# Altium PCB betrusted_evt2b.PcbDoc (part 1 of 6) (continued)
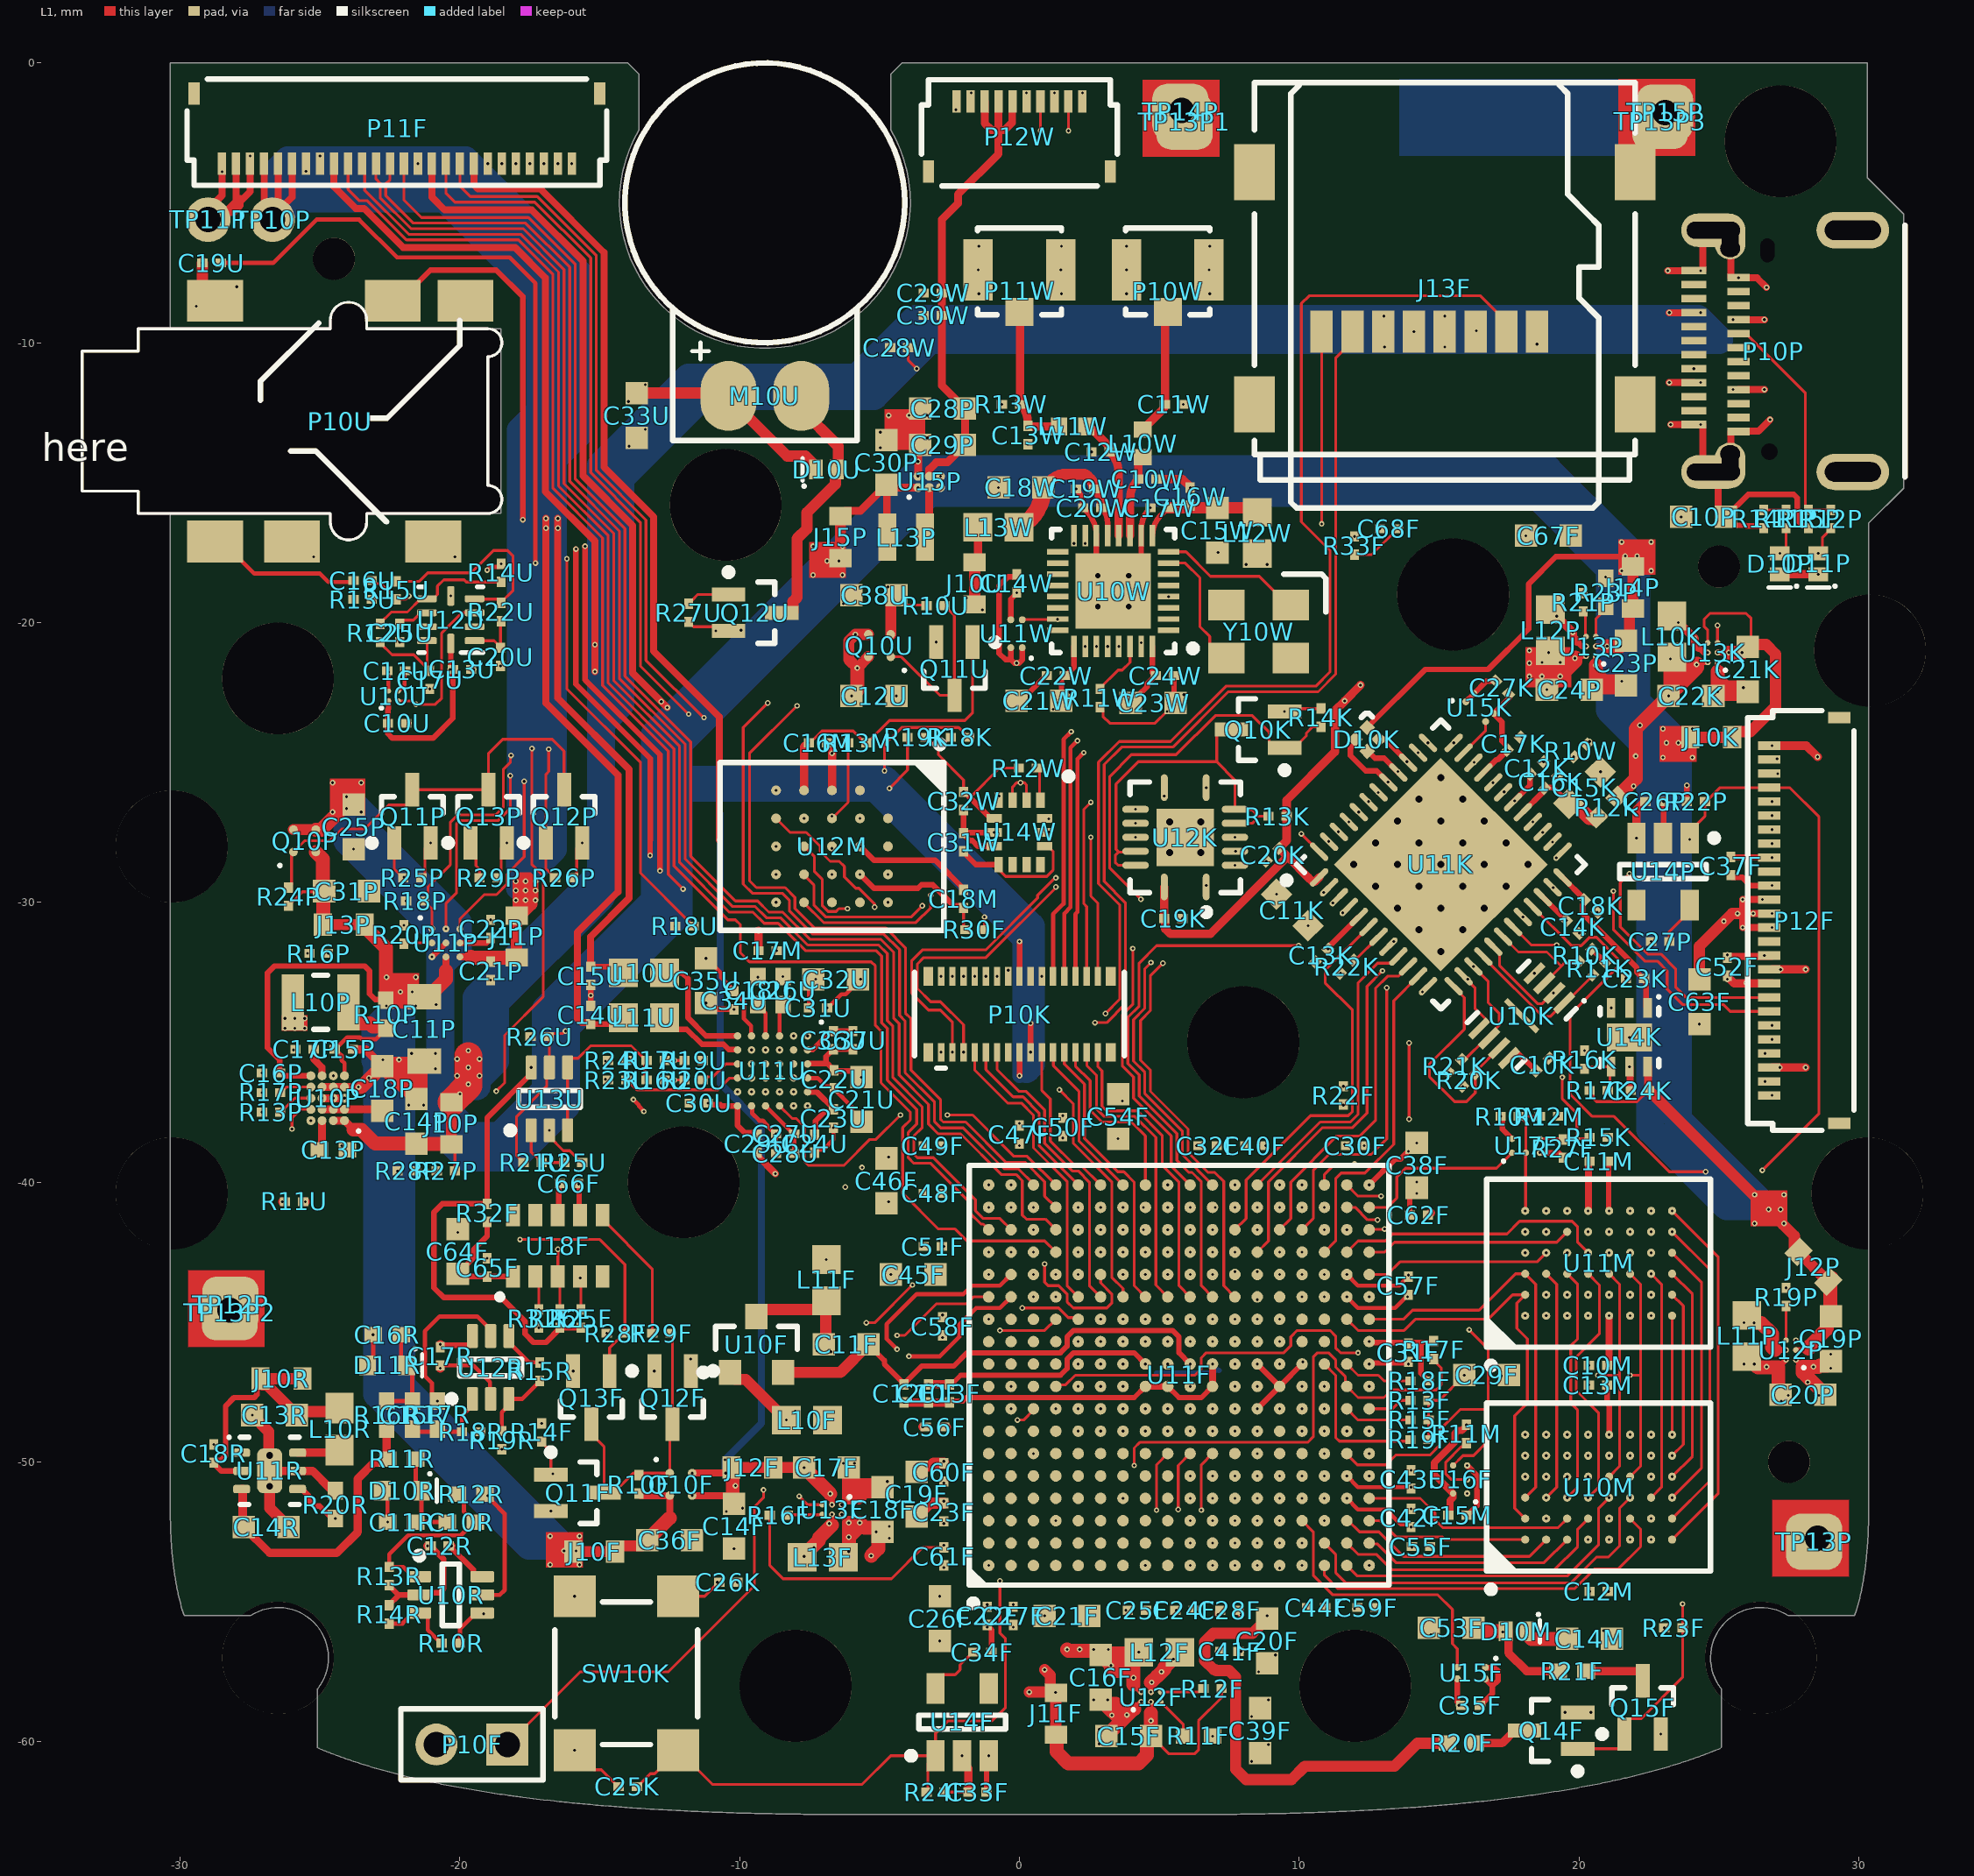
[diagram p0: L1 view]
## Classes and differential pairs (continued)

## Components (designator, comment, footprint, x,y, rotation, side; value= is the part's Value field where it differs from the comment)
C10F "0.47uF, 6.3V, X5R" B_CAP0201 -3.25,-47.55 r270 top
C10K "0.1uF, 6.3V, X5R" B_CAP0201 18.7,-35.8 r45 top
C10M "0.47uF, 6.3V, X5R" B_CAP0201 20.675,-46.55 r180 top
C10P "1.0uF, 25V, X5R" B_CAP0603 24.45,-16.225 r0 top
C10R "1500pF, 50V, X7R" B_CAP0402 -19.95,-52.15 r0 top
C10U "1.0uF, 6.3V, X5R" B_CAP0201 -22.25,-23.6 r0 top
C10W "1.8pF, NP0" B_CAP0201 4.575,-14.875 r0 top
C11F "10uF, 6.3V, X5R" B_CAP0603 -6.2,-45.8 r180 top
C11K "10uF, 6.3V, X5R" B_CAP0603 9.75,-30.275 r135 top
C11M "0.1uF, 6.3V, X5R" B_CAP0201 20.7,-39.25 r0 top
C11P "22uF, 6.3V, X5R" B_CAP0805 -21.275,-34.525 r270 top
C11R "220pF, NP0, 50V" B_CAP0402 -22.075,-52.15 r0 top
C11U "1.0uF, 6.3V, X5R" B_CAP0201 -22.275,-21.725 r0 top
C11W "0.8pF, NP0" B_CAP0201 5.525,-12.2 r0 top
C12F "0.1uF, 6.3V, X5R" B_CAP0201 -4.125,-47.55 r270 top
C12K "0.47uF, 6.3V, X5R" B_CAP0201 18.5,-25.2 r45 top
C12M "0.47uF, 6.3V, X5R" B_CAP0201 20.7,-54.625 r180 top
C12R "0.1uF, 6.3V, X5R" B_CAP0201 -20.725,-53 r0 top
C12U "10uF, 6.3V, X5R" B_CAP0603 -5.2,-22.625 r0 top
C12W "1.8pF, NP0" B_CAP0201 2.9,-13.9 r180 top
C13F "0.1uF, 6.3V, X5R" B_CAP0201 -2.5,-47.55 r270 top
C13K "0.47uF, 6.3V, X5R" B_CAP0201 10.8,-31.9 r225 top
C13M "0.1uF, 6.3V, X5R" B_CAP0201 20.675,-47.25 r0 top
C13P "0.033uF, 16V, X7R" B_RES0402 -24.525,-38.85 r180 top
C13R "10uF, 6.3V, X5R" B_CAP0603 -26.625,-48.325 r180 top
C13U "0.1uF, 6.3V, X5R" B_CAP0201 -19.925,-21.675 r180 top
C13W "0.8pF, NP0" B_CAP0201 0.3,-13.3 r270 top
C14F "10uF, 6.3V, X5R" B_CAP0603 -10.2,-52.3 r270 top
C14K "0.47uF, 6.3V, X5R" B_CAP0201 19.775,-30.875 r315 top
C14M "10uF, 6.3V, X5R" B_CAP0603 20.375,-56.325 r0 top
C14P "1.0uF, 25V, X5R" B_CAP0603 -21.55,-37.825 r90 top
C14R "1uF, 50V, X5R" B_CAP0603 -26.925,-52.325 r0 top
C14U "12pF, NP0" B_CAP0201 -15.325,-34.025 r90 top
C14W "0.1uF, 6.3V, X5R" B_CAP0201 -0.1,-18.6 r90 top
C15F "10uF, 6.3V, X5R" B_CAP0603 3.9,-59.8 r180 top
C15K "10uF, 6.3V, X5R" B_CAP0603 20.2,-25.9 r45 top
C15M "1.0uF, 6.3V, X5R" B_CAP0201 15.65,-51.9 r180 top
C15P "0.1uF, 6.3V, X5R" B_CAP0201 -24.15,-35.25 r0 top
C15R "1500pF, 50V, X7R" B_CAP0402 -21.7,-48.325 r270 top
C15U "12pF, NP0" B_CAP0201 -15.325,-32.625 r90 top
C15W "10uF, 6.3V, X5R" B_CAP0603 7.075,-16.7 r270 top
C16F "10uF, 6.3V, X5R" B_CAP0603 2.9,-57.7 r270 top
C16K "0.1uF, 6.3V, X5R" B_CAP0201 19,-25.7 r45 top
C16M "0.47uF, 6.3V, X5R" B_CAP0201 -7.2,-24.3 r0 top
C16P "0.1uF, 6.3V, X5R" B_CAP0201 -26.75,-36.1 r180 top
C16R "220pF, NP0, 50V" B_CAP0402 -22.6,-45.45 r0 top
C16U "1.0uF, 6.3V, X5R" B_CAP0201 -23.475,-18.5 r0 top
C16W "0.047uF 6.3V X5R" B_CAP0201 6.1,-15.5 r90 top
C17F "10uF, 6.3V, X5R" B_CAP0603 -6.9,-50.2 r0 top
C17K "0.47uF, 6.3V, X5R" B_CAP0201 17.67,-24.33 r45 top
C17M "0.1uF, 6.3V, X5R" B_CAP0201 -9,-31.725 r0 top
C17P "1.0uF, 6.3V, X5R" B_CAP0201 -25.55,-35.25 r180 top
C17R "0.1uF, 6.3V, X5R" B_CAP0201 -20.7,-46.225 r90 top
C17U "1.0uF, 6.3V, X5R" B_CAP0201 -21.075,-22.05 r270 top
C17W "12pF, NP0" B_CAP0201 5,-15.9 r180 top
C18F "10uF, 6.3V, X5R" B_CAP0603 -4.9,-51.7 r90 top
C18K "0.47uF, 6.3V, X5R" B_CAP0201 20.425,-30.125 r315 top
C18M "0.1uF, 6.3V, X5R" B_CAP0201 -2,-29.875 r90 top
C18P "10uF, 6.3V, X5R" B_CAP0603 -22.775,-36.65 r90 top
C18R "1.0uF, 6.3V, X5R" B_CAP0201 -28.8,-49.7 r270 top
C18U "2.2uF, 6.3V, X5R" B_CAP0402 -9.35,-33.15 r90 top
C18W "10uF, 6.3V, X5R" B_CAP0603 0.05,-15.175 r180 top
C19F "10uF, 6.3V, X5R" B_CAP0603 -3.675,-51.15 r270 top
C19K "0.1uF, 6.3V, X5R" B_CAP0201 5.5,-30.575 r0 top
C19P "10uF, 6.3V, X5R" B_CAP0603 29,-45.6 r270 top
C19U "1.0uF, 6.3V, X5R" B_CAP0201 -28.875,-7.15 r0 top
C19W "0.047uF 6.3V X5R" B_CAP0201 2.35,-15.225 r180 top
C20F "10uF, 6.3V, X5R" B_CAP0603 8.85,-56.4 r270 top
C20K "0.47uF, 6.3V, X5R" B_CAP0201 9.05,-28.3 r225 top
C20P "10uF, 6.3V, X5R" B_CAP0603 28,-47.6 r0 top
C20U "1.0uF, 6.3V, X5R" B_CAP0201 -18.55,-21.225 r270 top
C20W "12pF, NP0" B_CAP0201 2.6,-15.9 r180 top
C21F "10uF, 6.3V, X5R" B_CAP0603 1.7,-55.5 r180 top
C21K "10uF, 6.3V, X5R" B_CAP0603 26.025,-21.675 r270 top
C21P "1.0uF, 6.3V, X5R" B_CAP0201 -18.9,-32.45 r90 top
C21U "10uF, 6.3V, X5R" B_CAP0603 -5.65,-37.05 r90 top
C21W "10uF, 6.3V, X5R" B_CAP0603 0.7,-22.8 r180 top
C22F "1.0uF, 6.3V, X5R" B_CAP0201 -1.15,-55.5 r90 top
C22K "10uF, 6.3V, X5R" B_CAP0603 24,-22.625 r0 top
C22P "0.47uF, 6.3V, X5R" B_CAP0201 -18.9,-30.95 r90 top
C22U "0.1uF, 6.3V, X5R" B_CAP0201 -6.625,-36.325 r90 top
C22W "0.1uF, 6.3V, X5R" B_CAP0201 1.3,-21.9 r180 top
C23F "0.47uF, 6.3V, X5R" B_CAP0201 -2.7,-51.8 r90 top
C23K "1.0uF, 6.3V, X5R" B_CAP0201 22,-32.725 r180 top
C23P "10uF, 6.3V, X5R" B_CAP0603 21.675,-21.45 r270 top
C23U "0.1uF, 6.3V, X5R" B_CAP0201 -6.65,-37.725 r270 top
C23W "10uF, 6.3V, X5R" B_CAP0603 4.775,-22.875 r0 top
C24F "0.47uF, 6.3V, X5R" B_CAP0201 5.9,-55.3 r0 top
C24K "1.0uF, 6.3V, X5R" B_CAP0201 22.175,-36.725 r180 top
C24P "10uF, 6.3V, X5R" B_CAP0603 19.65,-22.4 r0 top
C24U "1.0uF, 6.3V, X5R" B_CAP0201 -7.325,-38.625 r90 top
C24W "0.01uF, 25V, X5R" B_RES0201 5.2,-21.9 r0 top
C25F "0.47uF, 6.3V, X5R" B_CAP0201 4.2,-55.3 r180 top
C25K "0.01uF, 25V, X5R" B_RES0201 -14,-61.6 r180 top
C25P "10uF, 6.3V, X5R" B_CAP0603 -23.8,-27.3 r270 top
C25U "0.1uF, 6.3V, X5R" B_CAP0201 -22.15,-20.375 r90 top
C26F "10uF, 6.3V, X5R" B_CAP0603 -2.85,-55.6 r270 top
C26K "0.01uF, 25V, X5R" B_RES0201 -10.4,-54.3 r0 top
C26P "0.1uF, 6.3V, X5R" B_CAP0201 22.7,-26.4 r180 top
C26U "2.2uF, 6.3V, X5R" B_CAP0402 -8.45,-33.15 r270 top
C27F "1.0uF, 6.3V, X5R" B_CAP0201 -0.225,-55.5 r90 top
C27K "0.01uF, 25V, X5R" B_RES0201 17.25,-22.325 r135 top
C27P "560pF, NP0" B_RES0201 22.9,-31.4 r180 top
C27U "0.1uF, 6.3V, X5R" B_CAP0201 -8.375,-38.275 r0 top
C28F "0.47uF, 6.3V, X5R" B_CAP0201 7.5,-55.3 r180 top
C28P "10uF, 6.3V, X5R" B_CAP0603 -2.75,-12.35 r180 top
C28U "1.0uF, 6.3V, X5R" B_CAP0201 -8.375,-38.975 r180 top
C28W "560pF, NP0" B_RES0201 -4.3,-10.175 r180 top
C29F "10uF, 6.3V, X5R" B_CAP0603 16.7,-46.9 r0 top
C29P "10uF, 6.3V, X5R" B_CAP0603 -2.75,-13.65 r180 top
C29U "0.1uF, 6.3V, X5R" B_CAP0201 -9.375,-38.625 r270 top
C29W "1.0uF, 6.3V, X5R" B_CAP0201 -3.1,-8.225 r0 top
C30F "1.0uF, 6.3V, X5R" B_CAP0201 12,-38.7 r180 top
C30P "10uF, 6.3V, X5R" B_CAP0603 -4.75,-14.275 r90 top
C30U "1.0uF, 6.3V, X5R" B_CAP0201 -11.45,-37.175 r0 top
C30W "1.0uF, 6.3V, X5R" B_CAP0201 -3.1,-9.025 r0 top
C31F "0.47uF, 6.3V, X5R" B_CAP0201 13.9,-46.1 r90 top
C31P "10uF, 6.3V, X5R" B_CAP0603 -24.05,-29.6 r0 top
C31U "0.1uF, 6.3V, X5R" B_CAP0201 -7.2,-33.775 r0 top
C31W "0.1uF, 6.3V, X5R" B_CAP0201 -2,-27.85 r90 top
C32F "0.47uF, 6.3V, X5R" B_CAP0201 6.725,-38.7 r0 top
C32U "10uF, 6.3V, X5R" B_CAP0603 -6.575,-32.75 r0 top
C32W "0.1uF, 6.3V, X5R" B_CAP0201 -2,-26.375 r270 top
C33F "0.1uF, 6.3V, X5R" B_CAP0201 -1.5,-61.8 r0 top
C33U "10uF, 6.3V, X5R" B_CAP0603 -13.675,-12.6 r90 top
C34F "560pF, NP0" B_RES0201 -1.325,-56.8 r0 top
C34U "0.1uF, 6.3V, X5R" B_CAP0201 -10.2,-33.5 r90 top
C35F "0.01uF, 25V, X5R" B_RES0201 16.125,-58.7 r0 top
C35U "10uF, 6.3V, X5R" B_CAP0603 -11.2,-32.8 r90 top
C36F "10uF, 6.3V, X5R" B_CAP0603 -12.5,-52.8 r0 top
C36U "0.1uF, 6.3V, X5R" B_CAP0201 -6.65,-34.925 r270 top
C37F "1.0uF, 6.3V, X5R" B_CAP0201 25.425,-28.7 r90 top
C37U "1.0uF, 6.3V, X5R" B_CAP0201 -5.95,-34.925 r90 top
C38F "10uF, 6.3V, X5R" B_CAP0603 14.2,-39.4 r90 top
C38U "10uF, 6.3V, X5R" B_CAP0603 -5.2,-19.025 r180 top
C39F "10uF, 6.3V, X5R" B_CAP0603 8.6,-59.6 r90 top
C40F "1.0uF, 6.3V, X5R" B_CAP0201 8.4,-38.7 r0 top
C41F "0.47uF, 6.3V, X5R" B_CAP0201 7.5,-56.775 r180 top
C42F "0.47uF, 6.3V, X5R" B_CAP0201 14,-52 r270 top
C43F "0.47uF, 6.3V, X5R" B_CAP0201 14,-50.625 r90 top
C44F "0.47uF, 6.3V, X5R" B_CAP0201 10.6,-55.2 r0 top
C45F "10uF, 6.3V, X5R" B_CAP0603 -3.8,-43.3 r180 top
C46F "10uF, 6.3V, X5R" B_CAP0603 -4.75,-39.95 r90 top
C47F "1.0uF, 6.3V, X5R" B_CAP0201 0,-38.3 r270 top
C48F "0.47uF, 6.3V, X5R" B_CAP0201 -3.1,-40.4 r180 top
C49F "0.47uF, 6.3V, X5R" B_CAP0201 -3.1,-38.7 r180 top
C50F "0.47uF, 6.3V, X5R" B_CAP0201 1.55,-38.025 r90 top
C51F "0.47uF, 6.3V, X5R" B_CAP0201 -3.1,-42.3 r180 top
C52F "1.0uF, 6.3V, X5R" B_CAP0201 25.3,-32.3 r270 top
C53F "10uF, 6.3V, X5R" B_CAP0603 15.425,-55.925 r180 top
C54F "10uF, 6.3V, X5R" B_CAP0603 3.525,-37.65 r90 top
C55F "1.0uF, 6.3V, X5R" B_CAP0201 14.35,-53.025 r180 top
C56F "0.47uF, 6.3V, X5R" B_CAP0201 -3.025,-48.75 r180 top
C57F "0.47uF, 6.3V, X5R" B_CAP0201 13.9,-43.7 r90 top
C58F "0.47uF, 6.3V, X5R" B_CAP0201 -2.75,-45.15 r90 top
C59F "0.47uF, 6.3V, X5R" B_CAP0201 12.4,-55.2 r180 top
C60F "0.47uF, 6.3V, X5R" B_CAP0201 -2.7,-50.375 r270 top
C61F "0.47uF, 6.3V, X5R" B_CAP0201 -2.7,-53.375 r270 top
C62F "0.47uF, 6.3V, X5R" B_CAP0201 14.275,-41.175 r0 top
C63F "1.0uF, 25V, X5R" B_CAP0603 24.3,-33.55 r270 top
C64F "10uF, 6.3V, X5R" B_CAP0603 -20.075,-42.475 r90 top
C65F "0.1uF, 6.3V, X5R" B_CAP0201 -19.025,-43.05 r90 top
C66F "0.1uF, 6.3V, X5R" B_CAP0201 -16.1,-40.05 r0 top
C67F "10uF, 6.3V, X5R" B_CAP0603 18.9,-16.9 r0 top
C68F "0.47uF, 6.3V, X5R" B_CAP0201 13.2,-16.65 r180 top
C69F "DNP" B_CAP0201 4.9,-46.5 r270 bottom
C70F "DNP" B_CAP0201 6.9,-46.5 r315 bottom
C71F "DNP" B_CAP0201 4.9,-44.9 r90 bottom
C72F "DNP" B_CAP0201 4.1,-48.9 r270 bottom
C73F "DNP" B_CAP0201 8.5,-47.7 r180 bottom
C74F "DNP" B_CAP0201 8.5,-49.3 r180 bottom
C75F "DNP" B_CAP0201 2.1,-46.1 r180 bottom
C76F "DNP" B_CAP0201 6.9,-48.5 r0 bottom
C77F "DNP" B_CAP0201 8.5,-41.3 r270 bottom
C78F "DNP" B_CAP0201 2.5,-44.9 r270 bottom
C79F "DNP" B_CAP0201 10.9,-41.3 r90 bottom
C80F "DNP" B_CAP0201 4.1,-44.9 r270 bottom
C81F "DNP" B_CAP0201 6.5,-44.9 r270 bottom
C82F "DNP" B_CAP0201 9.7,-44.9 r270 bottom
C83F "DNP" B_CAP0201 9.3,-51.7 r270 bottom
C84F "DNP" B_CAP0201 11.7,-50.9 r270 bottom
C85F "DNP" B_CAP0201 6.9,-52.5 r270 bottom
C86F "DNP" B_CAP0201 8.1,-44.9 r270 bottom
C87F "DNP" B_CAP0201 1.3,-48.5 r0 bottom
C88F "DNP" B_CAP0201 0.5,-42.1 r90 bottom
C89F "DNP" B_CAP0201 2.1,-49.3 r0 bottom
C90F "DNP" B_CAP0201 2.9,-41.3 r90 bottom
C91F "DNP" B_CAP0201 5.3,-40.5 r90 bottom
D10K "UHD1110-FKA" CREE_UHD1110-FKA 12.425,-24.175 r45 top
D10M "DB2G42600L1" B_DIO0402 17.75,-56.05 r0 top
D10P "DB2G42600L1" B_DIO0402 27.175,-17.9 r270 top
D10R "BZT585B15T-7" SOD523 -22.075,-51.025 r0 top
D10U "DB2G42600L1" B_DIO0402 -6.9,-14.525 r180 top
D11P "DB2G42600L1" B_DIO0402 28.55,-17.9 r270 top
D11R "BZT585B15T-7" SOD523 -22.6,-46.55 r0 top
J10F "power tap (DNP)" RESTAP-0603 -15.2,-53.2 r180 top
J10K "power tap (DNP)" RESTAP-0603 24.725,-24.1 r180 top
J10P "power tap (DNP)" RESTAP-0603 -20.3,-37.9 r90 top
J10R "power tap (DNP)" RESTAP-0603 -26.375,-47.025 r180 top
J10U "power tap (DNP)" RESTAP-0603 -1.6,-18.6 r90 top
J11F "power tap (DNP)" RESTAP-0603 1.3,-59 r270 top
J11P "power tap (DNP)" RESTAP-0603 -17.975,-31.225 r270 top
J12F "power tap (DNP)" RESTAP-0603 -9.55,-50.2 r0 top
J12P "power tap (DNP)" RESTAP-0603 28.375,-43.025 r315 top
J13F "KAWEEI CTFD001-S-01-WC" AUK_TFC08W01-HC-H 15.2,-9.6 r180 top
J13P "power tap (DNP)" RESTAP-0603 -24.15,-30.8 r180 top
J14P "power tap (DNP)" RESTAP-0603 21.925,-18.75 r270 top
J15P "power tap (DNP)" RESTAP-0603 -6.4,-16.95 r270 top
L10F "Ferrite 600 ohm" B_IND0603 -7.6,-48.5 r180 top
L10K "0.47uH 0603" B_IND0603 23.325,-20.5 r270 top
L10P "1.0uH 3.3A 2520" B_IND2025_SAM -24.975,-33.575 r0 top
L10R "22uH MLZ1608M220WT000" INDC1608AN -24.3,-48.825 r270 top
L10U "Ferrite 600 ohm" B_IND0603 -13.425,-32.525 r180 top
L10W "2.7nH" B_IND0402 4.4,-13.6 r90 top
L11F "Ferrite 600 ohm" B_IND0603 -6.9,-43.5 r270 top
L11P "0.47uH 0603" B_IND0603 26,-45.5 r270 top
L11U "Ferrite 600 ohm" B_IND0603 -13.425,-34.125 r180 top
L11W "2.7nH" B_IND0402 1.9,-13 r180 top
L12F "0.47uH 0603" B_IND0603 5,-56.8 r180 top
L12P "0.47uH 0603" B_IND0603 18.975,-20.275 r270 top
L12W "Ferrite 600 ohm" B_IND0603 8.5,-16.8 r270 top
L13F "0.47uH 0603" B_IND0603 -7.035,-53.4 r0 top
L13P "2.2uH 2016" B_IND2016_TDK -4.05,-16.95 r0 top
L13W "Ferrite 600 ohm" B_IND0603 -0.75,-16.6 r180 top
M10U "Vibration motor, mid-mount 10mm" JINLONG-C1020K001F -9.1,-11.8 r0 top locked
P10F "Header 2 (DNP)" HDR1X2 -18.3,-60.1 r180 top
P10K "DF40C-30DP-0.4V(51)" HRS_DF40C-30DP-0.4V(51) 0,-34 r0 top locked
P10P "USB Type C Connector" HIROSE_CX90B1-24P 26.8,-10.3 r90 top locked
P10U "SJ-43504-SMT-TR" CUI_SJ_43504_SMT_TR_FLIP -31.5,-12.8 r180 top
P10W "KAWEEI P1163-0140R" HRS_U.FL 5.3,-7.4 r0 top
P11F "26-pin FPC" HRS_FH34SRJ-26S-0.5SH(50) -22.25,-3.6 r180 top locked
P11W "KAWEEI P1163-0140R" HRS_U.FL 0,-7.4 r0 top
P12F "26-pin FPC" HRS_FH34SRJ-26S-0.5SH(50) 26.8,-30.65 r90 top
P12W "FH34SRJ-10S-0.5SH" HRS_FH34SRJ-10S-0.5SH(50) 0,-1.375 r0 top locked
Q10F "Si8425DB" VISHAY_MICRO_FOOT_4_BUMP -12.1,-50.8 r0 top
Q10K "DMG1012UW-7" SOT323-3AN 8.525,-23.825 r180 top
Q10P "Si8425DB" VISHAY_MICRO_FOOT_4_BUMP -25.55,-27.8 r90 top
Q10U "Si8425DB" VISHAY_MICRO_FOOT_4_BUMP -5,-20.825 r180 top
Q11F "DMG1012UW-7" SOT323-3AN -15.8,-51.1 r0 top
Q11P "DMN67D8LW" SOT323-3AN -21.7,-26.925 r90 top
Q11U "DMG1012UW-7" SOT323-3AN -2.325,-21.65 r270 top
Q12F "DMN67D8LW" SOT323-3AN -12.4,-47.7 r270 top
Q12P "DMG1012UW-7" SOT323-3AN -16.275,-26.925 r90 top
Q12U "DMG1012UW-7" SOT323-3AN -9.45,-19.65 r0 top
Q13F "DMG1012UW-7" SOT323-3AN -15.3,-47.7 r270 top
Q13P "DMN67D8LW" SOT323-3AN -18.975,-26.925 r90 top
Q14F "DMG1012UW-7" SOT323-3AN 19,-59.6 r180 top
Q15F "DMG1012UW-7" SOT323-3AN 22.275,-58.775 r90 top
R10F "220k, 1%" B_RES0201 -13.6,-50.8 r270 top
R10K "100k, 1%" B_RES0201 20.225,-31.9 r45 top
R10M "47k, 1%" B_RES0201 17.525,-37.65 r0 top
R10P "0.056 ohm, 1%, 1/4W 300ppm" B_RES0402 -22.65,-34 r270 top
R10R "100k, 1%" B_RES0201 -20.325,-56.475 r180 top
R10U "220k, 1%" B_RES0201 -3,-19.4 r180 top
R10W "10k, 1%" B_RES0201 20.05,-24.575 r225 top
R11F "18.7k, 1%, +/-200ppm" B_RES0402 6.4,-59.8 r0 top
R11K "10k, 1%" B_RES0201 20.725,-32.375 r225 top
R11M "47k, 1%" B_RES0201 15.975,-49 r270 top
R11P "20k, 1%" B_RES0201 27.4,-16.3 r270 top
R11R "470k, 1%" B_RES0402 -22.075,-49.9 r180 top
R11U "DNP" B_RES0201 -25.925,-40.7 r180 top
R11W "10k, 1%" B_RES0201 2.875,-22.7 r270 top
R12F "0 ohm" B_RES0201 6.9,-58.1 r0 top
R12K "100, 1%" B_RES0402 21,-26.6 r45 top
R12M "DNP" B_RES0201 18.925,-37.65 r0 top
R12P "20k, 1%" B_RES0201 29,-16.3 r90 top
R12R "5.1M, 1%" B_RES0402 -19.6,-51.15 r0 top
R12U "20k, 1%" B_RES0201 -22.85,-20.375 r90 top
R12W "1.0k, 1%" B_RES0201 0.3,-25.2 r180 top
R13F "330, 1%" B_RES0201 14.3,-47.8 r0 top
R13K "100k, 1%" B_RES0201 9.225,-26.925 r0 top
R13M "2.2k, 1%" B_RES0201 -5.8,-24.3 r0 top
R13P "10k, 1%" B_RES0201 -26.75,-37.5 r0 top
R13R "220k, 1%" B_RES0201 -22.525,-54.075 r90 top
R13U "2.2k, 1%" B_RES0201 -23.475,-19.175 r0 top
R13W "DNP" B_RES0201 -0.3,-12.2 r180 top
R14F "100k, 1%" B_RES0201 -17.075,-48.95 r270 top
R14K "220k, 1%" B_RES0201 10.775,-23.4 r270 top
R14P "5.1k, 1%" B_RES0201 26.6,-16.3 r270 top
R14R "20k, 1%" B_RES0201 -22.525,-55.45 r270 top
R14U "1.0k, 1%" B_RES0201 -18.525,-18.225 r90 top
R15F "4.7k, 1%" B_RES0201 14.3,-48.5 r0 top
R15K "100k, 1%" B_RES0201 20.7,-38.4 r180 top
R15P "5.1k, 1%" B_RES0201 28.2,-16.3 r270 top
R15R "100k, 1%" B_RES0201 -17.15,-46.775 r270 top
R15U "1.0k, 1%" B_RES0201 -22.275,-18.85 r270 top
R16F "0 ohm" B_RES0201 -8.6,-51.9 r0 top
R16K "0 ohm" B_RES0201 20.2,-35.625 r270 top
R16P "10k, 1%" B_RES0201 -25.05,-31.825 r180 top
R16R "470k, 1%" B_RES0402 -22.625,-48.325 r270 top
R16U "47k, 1%" B_RES0201 -13,-36.35 r0 top
R17F "1.0k, 1%" B_RES0201 14.8,-46 r270 top
R17K "DNP" B_RES0201 20.7,-36.725 r0 top
R17P "10k, 1%" B_RES0201 -26.75,-36.8 r180 top
R17R "5.1M, 1%" B_RES0402 -20.8,-48.325 r90 top
R17U "47k, 1%" B_RES0201 -13,-35.65 r180 top
R18F "1.0k, 1%" B_RES0201 14.3,-47.1 r180 top
R18K "4.7k, 1%" B_RES0201 -2.125,-24.1 r180 top
R18P "10k, 1%" B_RES0201 -21.6,-29.95 r0 top
R18R "220k, 1%" B_RES0201 -19.6,-48.925 r180 top
R18U "560k, 1%" B_RES0201 -11.975,-30.85 r180 top
R19F "1.0k, 1%" B_RES0201 14.3,-49.2 r180 top
R19K "4.7k, 1%" B_RES0201 -3.675,-24.1 r0 top
R19P "0 ohm" B_RES0201 27.4,-44.1 r270 top
R19R "20k, 1%" B_RES0201 -18.5,-49.225 r90 top
R19U "DNP" B_RES0201 -11.65,-35.65 r180 top
R20F "47, 1%" B_RES0402 15.8,-60.05 r180 top
R20K "100k, 1%" B_RES0201 16.075,-36.35 r225 top
R20P "10k, 1%" B_RES0201 -22,-31.15 r90 top
R20R "22k, 1%" B_RES0402 -24.45,-51.525 r270 top
R20U "DNP" B_RES0201 -11.65,-36.35 r180 top
R21F "47, 1%" B_RES0402 19.75,-57.475 r180 top
R21K "10k, 1%" B_RES0201 15.575,-35.85 r45 top
R21P "0 ohm" B_RES0201 20.15,-19.275 r270 top
R21U "560k, 1%" B_RES0201 -17.4,-39.3 r180 top
R22F "1.0k, 1%" B_RES0201 11.575,-36.9 r90 top
R22K "10k, 1%" B_RES0201 11.7,-32.3 r45 top
R22P "4.7k, 1%" B_RES0201 24.175,-26.4 r180 top
R22U "20k, 1%" B_RES0201 -18.525,-19.625 r90 top
R23F "220k, 1%" B_RES0201 23.375,-55.925 r0 top
R23P "249k, 1%, +/-200ppm" B_RES0402 20.95,-18.925 r90 top
R23U "DNP" B_RES0201 -14.375,-36.35 r180 top
R24F "4.7k, 1%" B_RES0201 -3,-61.8 r0 top
R24P "220k, 1%" B_RES0201 -26.125,-29.8 r270 top
R24U "DNP" B_RES0201 -14.375,-35.65 r180 top
R25F "4.7k, 1%" B_RES0201 -15.675,-44.875 r270 top
R25P "10k, 1%" B_RES0201 -21.7,-29.125 r0 top
R25U "100k, 1%" B_RES0201 -15.95,-39.3 r180 top
R26F "4.7k, 1%" B_RES0201 -16.425,-44.875 r270 top
R26P "100k, 1%" B_RES0201 -16.275,-29.125 r180 top
R26U "100k, 1%" B_RES0201 -17.15,-34.8 r0 top
R27F "10k, 1%" B_RES0201 19.425,-38.8 r270 top
R27P "100k, 1%" B_RES0201 -20.5,-39.6 r0 top
R27U "100k, 1%" B_RES0201 -11.825,-19.65 r90 top
R28F "100k, 1%" B_RES0201 -14.425,-45.4 r0 top
R28P "5.1k, 1%" B_RES0201 -21.9,-39.6 r180 top
R29F "0 ohm" B_RES0201 -12.8,-45.4 r0 top
R29P "10k, 1%" B_RES0201 -18.975,-29.125 r0 top
R30F "10k, 1%" B_RES0201 -1.6,-30.975 r0 top
R31F "10k, 1%" B_RES0201 -17.175,-44.875 r90 top
R32F "1.0k, 1%" B_RES0201 -19.025,-41.1 r90 top
R33F "10k, 1%" B_RES0201 11.975,-17.25 r90 top
SW10K "5x5mm 1.6mm tall PB" SWITCH_TS-1187A -15.9,-54.8 r0 top
TP10P "solder terminal (DNP)" 55-MIL-HOLE#1 -26.7,-5.625 r90 top
TP11P "solder terminal (DNP)" 55-MIL-HOLE#2 -29,-5.6 r90 top
TP12P "test point (DNP)" TP_2MM_SQ -28.2,-44.375 r90 top
TP13P "test point (DNP)" TP_2MM_SQ 28.4,-52.85 r90 top
TP13P1 "test point (DNP)" TP_2MM_SQ 5.9,-2.1 r90 top
TP13P2 "test point (DNP)" TP_2MM_SQ -28.225,-44.65 r90 top
TP13P3 "test point (DNP)" TP_2MM_SQ 22.9,-2.075 r90 top
TP14P "test point (DNP)" TP_2MM_SQ 5.75,-1.75 r90 top
TP15P "test point (DNP)" TP_2MM_SQ 23.075,-1.775 r90 top
U10F "TI-REF3012DBZ3" ONSC-SOT-23-3-318-08_V -9.4,-45.8 r90 top
U10K "MX25R8035FZUIL0" USON-8 17.95,-34.05 r225 top
U10M "4Mx16 PSRAM" BGA48C75P6X8_600X800X120 20.7,-50.9 r90 top locked
U10P "BQ24157" BGA20C40P4X5_200X214X62 -24.725,-37 r180 top
U10R "LMV981MG/NOPB" DCK0006A_N -20.325,-54.75 r0 top
U10U "LP5907UVX-2.2/NOPB" TI_YKE004 -22.375,-22.625 r90 top
U10W "WF200C" QFN40P400X400X90_HS-33N 3.35,-18.875 r180 top
U11F "XC7S50-L1CSGA324I" BGA324C80P18X18_1500X1500X150 5.7,-46.9 r90 top locked
U11K "iCE40UP5K- SG48" UP5K_QFN127P600-8N 15.06,-28.649 r45 top
U11M "4Mx16 PSRAM" BGA48C75P6X8_600X800X120 20.7,-42.9 r90 top locked
U11P "BQ27421-G1" BGA9C50P3X3_162X158X62 -20.5,-31.45 r0 top
U11R "TPS61158" SON65P200X80_HS-7N -26.8,-50.32 r0 top
U11U "LM49352RL/NOPB" YPG0036AWAW -8.825,-36.025 r270 top
U11W "SiT1532 32.768 kHz 100ppm" SiTIME_CSP -0.105,-20.4 r180 top
U12F "TPS62801" BGA6C35P2X3_70X105X40_NSMD 4.7,-58.4 r90 top
U12K "TS3A4751RGYR" TI_RGY_S_PVQFN-N14 5.925,-27.675 r180 top
U12M "1Gbit 1.8V SPINOR" BGA24C100P5X5_600X800X120 -6.7,-28 r270 top locked
U12P "TPS62802" BGA6C35P2X3_70X105X40_NSMD 27.575,-46 r180 top
U12R "LMV981MG/NOPB" DCK0006A_N -18.9,-46.625 r90 top
U12U "THS4531AIRUN" RUN0010A -20.325,-19.9 r180 top
U13F "TPS62802" BGA6C35P2X3_70X105X40_NSMD -6.7,-51.7 r270 top
U13K "TPS62801" BGA6C35P2X3_70X105X40_NSMD 24.775,-21.075 r180 top
U13P "TPS62802" BGA6C35P2X3_70X105X40_NSMD 20.425,-20.85 r180 top
U13U "LMV981MG/NOPB" DCK0006A_N -16.8,-37.025 r90 top
U14F "BU4217G" SOT23-5AN -2.05,-59.3 r90 top
U14K "TPS78225" TI-DRV6-1600X1000TP_V 21.8,-34.825 r270 top
U14P "BU4217G" SOT23-5AN 23,-28.9 r270 top
U14W "LSM6DS3TR" LGA-14_2500X3000X860_N 0,-27.5 r270 top
U15F "SiT8021 12.000MHz" SiTIME_CSP 16.15,-57.545 r270 top
U15K "SiT8021 12.000MHz" SiTIME_CSP 16.451,-23.041 r45 top
U15P "TPS610997" BGA6C40P2X3_88X123X62 -3.225,-14.975 r90 top
U16F "SN74AUC1G66YZPR" YZP0005ADAD 15.75,-50.625 r180 top
U17F "SN74AUC1G66YZPR" YZP0005ADAD 18.1,-38.7 r90 top
U18F "AB-RTCMC-32.768KHZ-B5ZE-S3-T" ABRACON_RTCMC_LGA10 -16.5,-42.275 r90 top
Y10W "38.4MHz, 10ppm, 40ohm, 10pF" XOSC_3.2_2.5 8.55,-20.325 r180 top

## Footprints (in the part's own frame and the unit in brackets; to place one, negate y for a bottom-side part, rotate by r counter-clockwise, add the part's x,y. Pads: shape width x height; smd on the part's side, far side on the other; paste and mask are expansions set on the pad)
55-MIL-HOLE#1 [mm] "55 mil solder hole"
  round 1.6 hole 0.9: 1(0.025,0)
55-MIL-HOLE#2 [mm] "55 mil solder hole"
  round 1.6 hole 0.9: 1(0,0)
ABRACON_RTCMC_LGA10 [mm] "LGA10 package for ABracon RTCMC"
  rect 0.8x0.5 smd mask+0.07: 1(-1.1,1.6) 2(-1.1,0.8) 3(-1.1,0) 4(-1.1,-0.8) 5(-1.1,-1.6) 6(1.1,-1.6) 7(1.1,-0.8) 8(1.1,0) 9(1.1,0.8) 10(1.1,1.6)
  silkscreen extent -1.92,1.97 -1.73,2.17, body extent -1.25,-1.85 1.25,1.85, height 0.9
AUK_TFC08W01-HC-H [mm] "Micro-SD hinge-lock card (for captive board mount)"
  rect 1.45x2 smd mask+0.07: 0(-6.8,-5.7) 0(-6.8,2.6) 0(6.8,-5.7) 0(6.8,2.6)
  rect 0.8x1.5 smd mask+0.07: 1(-3.3,0) 2(-2.2,0) 3(-1.1,0) 4(0,0) 5(1.1,0) 6(2.2,0) 7(3.3,0) 8(4.4,0)
  silkscreen extent -6.8,-8.9 6.8,6.3, body extent -7.4,-9.35 7.2,5.15, height 1.89
B_CAP0201 [mm] "Capacitor 0201"
  rect 0.37x0.32 smd mask+0.07: 1(-0.325,0) 2(0.325,0)
  body extent -0.32,-0.16 0.32,0.17, height 0.26
B_CAP0402 [mm] "Capacitor 0402"
  rect 0.63x0.55 smd mask+0.07: 1(-0.5,0) 2(0.5,0)
  body extent -0.53,-0.27 0.53,0.28, height 0.4
B_CAP0603 [mm] "Capacitor 0603"
  rect 0.8x0.8 smd mask+0.07: 1(-0.8,0) 2(0.8,0)
  body extent -0.85,-0.45 0.85,0.45, height 0.9
B_CAP0805 [mm] "Capacitor 0805"
  rect 0.9x1.2 smd: 1(-1.15,0) 2(1.15,0)
  body extent -1.1,-0.7 1.1,0.7, height 0.6
B_DIO0402 [mm] "Molded Diode, 2-Leads, Body 1.00x0.50mm, IPC Medium Density"
  rect 0.5x0.7 smd mask+0.07: 1(-0.375,0) 2(0.375,0)
  silkscreen extent 0.75,-0.4 0.85,0.65, body extent -0.5,-0.25 0.5,0.25, height 0.55
B_IND0402 [mm] "Inductor 0402"
  rect 0.58x0.64 smd: 1(-0.49,0) 2(0.49,0)
  body extent -0.55,-0.3 0.55,0.3, height 0.6
B_IND0603 [mm] "Inductor 0603"
  rect 1.03x1.02 smd: 1(-0.735,0) 2(0.735,0)
  body extent -0.9,-0.5 0.9,0.5, height 0.8
B_IND2016_TDK [mm] "Chip Inductor, 2-Leads, Body 2.00x1.60mm, IPC Medium Density"
  rect 0.65x1.7 smd: 1(-0.675,0) 2(0.675,0)
  body extent -1.1,-0.9 1.1,0.9, height 1
B_IND2025_SAM [mm] "2025 Inductor"
  rect 0.8x2 smd: 1(-1,0) 2(1,0)
  silkscreen extent -0.25,-0.97 0.25,0.97, body extent -1.25,-1 1.25,1, height 1
B_RES0201 [mm] "Resistor 0201"
  rect 0.37x0.32 smd mask+0.07: 1(-0.325,0) 2(0.325,0)
  body extent -0.32,-0.16 0.32,0.17, height 0.26
B_RES0402 [mm] "Resistor 0402"
  rect 0.63x0.55 smd mask+0.07: 1(-0.5,0) 2(0.5,0)
  body extent -0.53,-0.27 0.53,0.28, height 0.4
BGA6C35P2X3_70X105X40_NSMD [mm] "BGA, 6-Leads, Body 0.70x1.05mmx0.40mm, Pitch 0.35mm"
  round 0.2 smd mask+0.032: A1(-0.175,0.35) A2(0.175,0.35) B1(-0.175,0) B2(0.175,0) C1(-0.175,-0.35) C2(0.175,-0.35)
  silkscreen extent -0.5,0.58 -0.41,0.68, body extent -0.35,-0.53 0.35,0.53, height 0.4
BGA6C40P2X3_88X123X62 [mm] "BGA, 6-Leads, Body 0.88x1.23mmx0.63mm, Pitch 0.40mm"
  round 0.32 smd mask-0.05: A1(-0.2,0.4) A2(0.2,0.4) B1(-0.2,0) B2(0.2,0) C1(-0.2,-0.4) C2(0.2,-0.4)
  silkscreen extent -0.59,0.67 -0.5,0.77, body extent -0.44,-0.62 0.44,0.62, height 0.63
BGA9C50P3X3_162X158X62 [mm] "BGA, 9-Leads, Body 1.62x1.58mmx0.63mm, Pitch 0.50mm"
  round 0.245 smd mask+0.05: A1(-0.5,0.5) A2(0,0.5) A3(0.5,0.5) B1(-0.5,0) B2(0,0) B3(0.5,0) C1(-0.5,-0.5) C2(0,-0.5) C3(0.5,-0.5)
  silkscreen extent -0.96,0.85 -0.87,0.94, body extent -0.81,-0.79 0.81,0.79, height 0.63
BGA20C40P4X5_200X214X62 [mm] "BGA, 20-Leads, Body 2.00x2.14mmx0.63mm, Pitch 0.40mm"
  round 0.32 smd mask-0.05: A1(-0.6,0.8) A2(-0.2,0.8) A3(0.2,0.8) A4(0.6,0.8) B1(-0.6,0.4) B2(-0.2,0.4) B3(0.2,0.4) B4(0.6,0.4) C1(-0.6,0) C2(-0.2,0) C3(0.2,0) C4(0.6,0) D1(-0.6,-0.4) D2(-0.2,-0.4) D3(0.2,-0.4) D4(0.6,-0.4) E1(-0.6,-0.8) E2(-0.2,-0.8) E3(0.2,-0.8) E4(0.6,-0.8)
  silkscreen extent -1.16,1.13 -1.06,1.22, body extent -1,-1.07 1,1.07, height 0.63
BGA24C100P5X5_600X800X120 [mm] "BGA, 24-Leads, Body 6.00x8.00mmx1.20mm, Pitch 1.00mm"
  round 0.35 smd: A2(-1,2) A3(0,2) A4(1,2) A5(2,2) B1(-2,1) B2(-1,1) B3(0,1) B4(1,1) B5(2,1) C1(-2,0) C2(-1,0) C3(0,0) C4(1,0) C5(2,0) D1(-2,-1) D2(-1,-1) D3(0,-1) D4(1,-1) D5(2,-1) E1(-2,-2) E2(-1,-2) E3(0,-2) E4(1,-2) E5(2,-2)
  silkscreen extent -3.77,-4 3,4, body extent -3,-4 3,4, height 1.2
BGA48C75P6X8_600X800X120 [mm] "BGA, 48-Leads, Body 6.00x8.00mmx1.20mm, Pitch 0.75mm"
  round 0.29 smd: A1(-1.875,2.625) A2(-1.125,2.625) A3(-0.375,2.625) A4(0.375,2.625) A5(1.125,2.625) A6(1.875,2.625) B1(-1.875,1.875) B2(-1.125,1.875) B3(-0.375,1.875) B4(0.375,1.875) B5(1.125,1.875) B6(1.875,1.875) C1(-1.875,1.125) C2(-1.125,1.125) C3(-0.375,1.125) C4(0.375,1.125) C5(1.125,1.125) C6(1.875,1.125) D1(-1.875,0.375) D2(-1.125,0.375) D3(-0.375,0.375) D4(0.375,0.375) D5(1.125,0.375) D6(1.875,0.375) E1(-1.875,-0.375) E2(-1.125,-0.375) E3(-0.375,-0.375) E4(0.375,-0.375) E5(1.125,-0.375) E6(1.875,-0.375) F1(-1.875,-1.125) F2(-1.125,-1.125) F3(-0.375,-1.125) F4(0.375,-1.125) F5(1.125,-1.125) F6(1.875,-1.125) G1(-1.875,-1.875) G2(-1.125,-1.875) G3(-0.375,-1.875) G4(0.375,-1.875) G5(1.125,-1.875) G6(1.875,-1.875) H1(-1.875,-2.625) H2(-1.125,-2.625) H3(-0.375,-2.625) H4(0.375,-2.625) H5(1.125,-2.625) H6(1.875,-2.625)
  silkscreen extent -3.77,-4 3,4, body extent -3,-4 3,4, height 1.2
BGA324C80P18X18_1500X1500X150 [mm] "BGA, 324-Leads, Body 15.00x15.00mmx1.50mm, Pitch 0.80mm"
  round 0.41 smd: A1(-6.8,6.8) A2(-6,6.8) A3(-5.2,6.8) A4(-4.4,6.8) A5(-3.6,6.8) A6(-2.8,6.8) A7(-2,6.8) A8(-1.2,6.8) A9(-0.4,6.8) A10(0.4,6.8) A11(1.2,6.8) A12(2,6.8) A13(2.8,6.8) A14(3.6,6.8) A15(4.4,6.8) A16(5.2,6.8) A17(6,6.8) A18(6.8,6.8) B1(-6.8,6) B2(-6,6) B3(-5.2,6) B4(-4.4,6) B5(-3.6,6) B6(-2.8,6) B7(-2,6) B8(-1.2,6) B9(-0.4,6) B10(0.4,6) B11(1.2,6) B12(2,6) B13(2.8,6) B14(3.6,6) B15(4.4,6) B16(5.2,6) B17(6,6) B18(6.8,6) C1(-6.8,5.2) C2(-6,5.2) C3(-5.2,5.2) C4(-4.4,5.2) C5(-3.6,5.2) C6(-2.8,5.2) C7(-2,5.2) C8(-1.2,5.2) C9(-0.4,5.2) C10(0.4,5.2) C11(1.2,5.2) C12(2,5.2) C13(2.8,5.2) C14(3.6,5.2) C15(4.4,5.2) C16(5.2,5.2) C17(6,5.2) C18(6.8,5.2) D1(-6.8,4.4) D2(-6,4.4) D3(-5.2,4.4) D4(-4.4,4.4) D5(-3.6,4.4) D6(-2.8,4.4) D7(-2,4.4) D8(-1.2,4.4) D9(-0.4,4.4) D10(0.4,4.4) D11(1.2,4.4) D12(2,4.4) D13(2.8,4.4) D14(3.6,4.4) D15(4.4,4.4) D16(5.2,4.4) D17(6,4.4) D18(6.8,4.4) E1(-6.8,3.6) E2(-6,3.6) E3(-5.2,3.6) E4(-4.4,3.6) E5(-3.6,3.6) E6(-2.8,3.6) E7(-2,3.6) E8(-1.2,3.6) E9(-0.4,3.6) E10(0.4,3.6) E11(1.2,3.6) E12(2,3.6) E13(2.8,3.6) E14(3.6,3.6) E15(4.4,3.6) E16(5.2,3.6) E17(6,3.6) E18(6.8,3.6) F1(-6.8,2.8) F2(-6,2.8) F3(-5.2,2.8) F4(-4.4,2.8) F5(-3.6,2.8) F6(-2.8,2.8) F7(-2,2.8) F8(-1.2,2.8) F9(-0.4,2.8) F10(0.4,2.8) F11(1.2,2.8) F12(2,2.8) F13(2.8,2.8) F14(3.6,2.8) F15(4.4,2.8) F16(5.2,2.8) F17(6,2.8) F18(6.8,2.8) G1(-6.8,2) G2(-6,2) G3(-5.2,2) G4(-4.4,2) G5(-3.6,2) G6(-2.8,2) G7(-2,2) G8(-1.2,2) G9(-0.4,2) G10(0.4,2) G11(1.2,2) G12(2,2) G13(2.8,2) G14(3.6,2) G15(4.4,2) G16(5.2,2) G17(6,2) G18(6.8,2) H1(-6.8,1.2) H2(-6,1.2) H3(-5.2,1.2) H4(-4.4,1.2) H5(-3.6,1.2) H6(-2.8,1.2) H7(-2,1.2) H8(-1.2,1.2) H9(-0.4,1.2) H10(0.4,1.2) H11(1.2,1.2) H12(2,1.2) H13(2.8,1.2) H14(3.6,1.2) H15(4.4,1.2) H16(5.2,1.2) H17(6,1.2) H18(6.8,1.2) J1(-6.8,0.4) J2(-6,0.4) J3(-5.2,0.4) J4(-4.4,0.4) J5(-3.6,0.4) J6(-2.8,0.4) J7(-2,0.4) J8(-1.2,0.4) J9(-0.4,0.4) J10(0.4,0.4) J11(1.2,0.4) J12(2,0.4) J13(2.8,0.4) J14(3.6,0.4) J15(4.4,0.4) J16(5.2,0.4) J17(6,0.4) J18(6.8,0.4) K1(-6.8,-0.4) K2(-6,-0.4) K3(-5.2,-0.4) K4(-4.4,-0.4) K5(-3.6,-0.4) K6(-2.8,-0.4) K7(-2,-0.4) K8(-1.2,-0.4) K9(-0.4,-0.4) K10(0.4,-0.4) K11(1.2,-0.4) K12(2,-0.4) K13(2.8,-0.4) K14(3.6,-0.4) K15(4.4,-0.4) K16(5.2,-0.4) K17(6,-0.4) K18(6.8,-0.4) L1(-6.8,-1.2) L2(-6,-1.2) L3(-5.2,-1.2) L4(-4.4,-1.2) L5(-3.6,-1.2) L6(-2.8,-1.2) L7(-2,-1.2) L8(-1.2,-1.2) L9(-0.4,-1.2) L10(0.4,-1.2) L11(1.2,-1.2) L12(2,-1.2) L13(2.8,-1.2) L14(3.6,-1.2) L15(4.4,-1.2) L16(5.2,-1.2) L17(6,-1.2) L18(6.8,-1.2) M1(-6.8,-2) M2(-6,-2) M3(-5.2,-2) M4(-4.4,-2) M5(-3.6,-2) M6(-2.8,-2) M7(-2,-2) M8(-1.2,-2) M9(-0.4,-2) M10(0.4,-2) M11(1.2,-2) M12(2,-2) M13(2.8,-2) M14(3.6,-2) M15(4.4,-2) M16(5.2,-2) M17(6,-2) M18(6.8,-2) N1(-6.8,-2.8) N2(-6,-2.8) N3(-5.2,-2.8) N4(-4.4,-2.8) N5(-3.6,-2.8) N6(-2.8,-2.8) N7(-2,-2.8) N8(-1.2,-2.8) N9(-0.4,-2.8) N10(0.4,-2.8) N11(1.2,-2.8) N12(2,-2.8) N13(2.8,-2.8) N14(3.6,-2.8) N15(4.4,-2.8) N16(5.2,-2.8) N17(6,-2.8) N18(6.8,-2.8) P1(-6.8,-3.6) P2(-6,-3.6) P3(-5.2,-3.6) P4(-4.4,-3.6) P5(-3.6,-3.6) P6(-2.8,-3.6) P7(-2,-3.6) P8(-1.2,-3.6) P9(-0.4,-3.6) P10(0.4,-3.6) P11(1.2,-3.6) P12(2,-3.6) P13(2.8,-3.6) P14(3.6,-3.6) P15(4.4,-3.6) P16(5.2,-3.6) P17(6,-3.6) P18(6.8,-3.6) R1(-6.8,-4.4) R2(-6,-4.4) R3(-5.2,-4.4) R4(-4.4,-4.4) R5(-3.6,-4.4) R6(-2.8,-4.4) R7(-2,-4.4) R8(-1.2,-4.4) R9(-0.4,-4.4) R10(0.4,-4.4) R11(1.2,-4.4) R12(2,-4.4) R13(2.8,-4.4) R14(3.6,-4.4) R15(4.4,-4.4) R16(5.2,-4.4) R17(6,-4.4) R18(6.8,-4.4) T1(-6.8,-5.2) T2(-6,-5.2) T3(-5.2,-5.2) T4(-4.4,-5.2) T5(-3.6,-5.2) T6(-2.8,-5.2) T7(-2,-5.2) T8(-1.2,-5.2) T9(-0.4,-5.2) T10(0.4,-5.2) T11(1.2,-5.2) T12(2,-5.2) T13(2.8,-5.2) T14(3.6,-5.2) T15(4.4,-5.2) T16(5.2,-5.2) T17(6,-5.2) T18(6.8,-5.2) U1(-6.8,-6) U2(-6,-6) U3(-5.2,-6) U4(-4.4,-6) U5(-3.6,-6) U6(-2.8,-6) U7(-2,-6) U8(-1.2,-6) U9(-0.4,-6) U10(0.4,-6) U11(1.2,-6) U12(2,-6) U13(2.8,-6) U14(3.6,-6) U15(4.4,-6) U16(5.2,-6) U17(6,-6) U18(6.8,-6) V1(-6.8,-6.8) V2(-6,-6.8) V3(-5.2,-6.8) V4(-4.4,-6.8) V5(-3.6,-6.8) V6(-2.8,-6.8) V7(-2,-6.8) V8(-1.2,-6.8) V9(-0.4,-6.8) V10(0.4,-6.8) V11(1.2,-6.8) V12(2,-6.8) V13(2.8,-6.8) V14(3.6,-6.8) V15(4.4,-6.8) V16(5.2,-6.8) V17(6,-6.8) V18(6.8,-6.8)
  silkscreen extent -8.27,-7.5 7.5,7.5, body extent -7.5,-7.5 7.5,7.5, height 1.5
CREE_UHD1110-FKA [mm] "1mmx1mm RGB LED 5mA per channel"
  rect 0.4x0.4 smd mask+0.07: 1(-0.3,0.3) 2(-0.3,-0.3) 3(0.3,-0.3) 4(0.3,0.3)
  silkscreen extent 0.4,0.42 0.7,0.7, body extent -0.5,-0.5 0.5,0.5, height 0.6
CUI_SJ_43504_SMT_TR_FLIP [mm] "3.5mm mid-mount audio jack, pads pulled back from edge"
  rect 2x1.5 smd: 1(-2.75,4.3) 2(-9.1,-4.3) 3(-5.5,4.3) 4(-2.75,-4.3) 5(-11.7,-4.3) 6(-10.55,4.3)
  Keep-Out Layer lines w0.1: 0,3.3 -6.87,3.3 -6.87,3.6 ccw(c-7.52,3.6) -8.17,3.6 -8.17,3.3 -12.5,3.3 ccw(c-12.5,2.8) -12.5,2.3 -12.5,-2.3 ccw(c-12.5,-2.8) -12.5,-3.3 -8.17,-3.3 ; 0,-3.3 -6.87,-3.3 -6.87,-3.6
  silkscreen extent -13,-4.25 2,4.25, body extent -12,-4.55 2,4.55, height 3.29